# Altium PCB batteryPack.PcbDoc (part 1 of 2)
Units mm, origin at the board's own origin, x right, y up, seen from the top; angles counter-clockwise.
Board outline 117 x 50 mm, 4 copper layers (Top Layer, Mid-Layer 1, Mid-Layer 2, Bottom Layer); 146 components, 107 nets, 522 pads, 401 vias.
Unrouted connection lines stored in the file: 2.
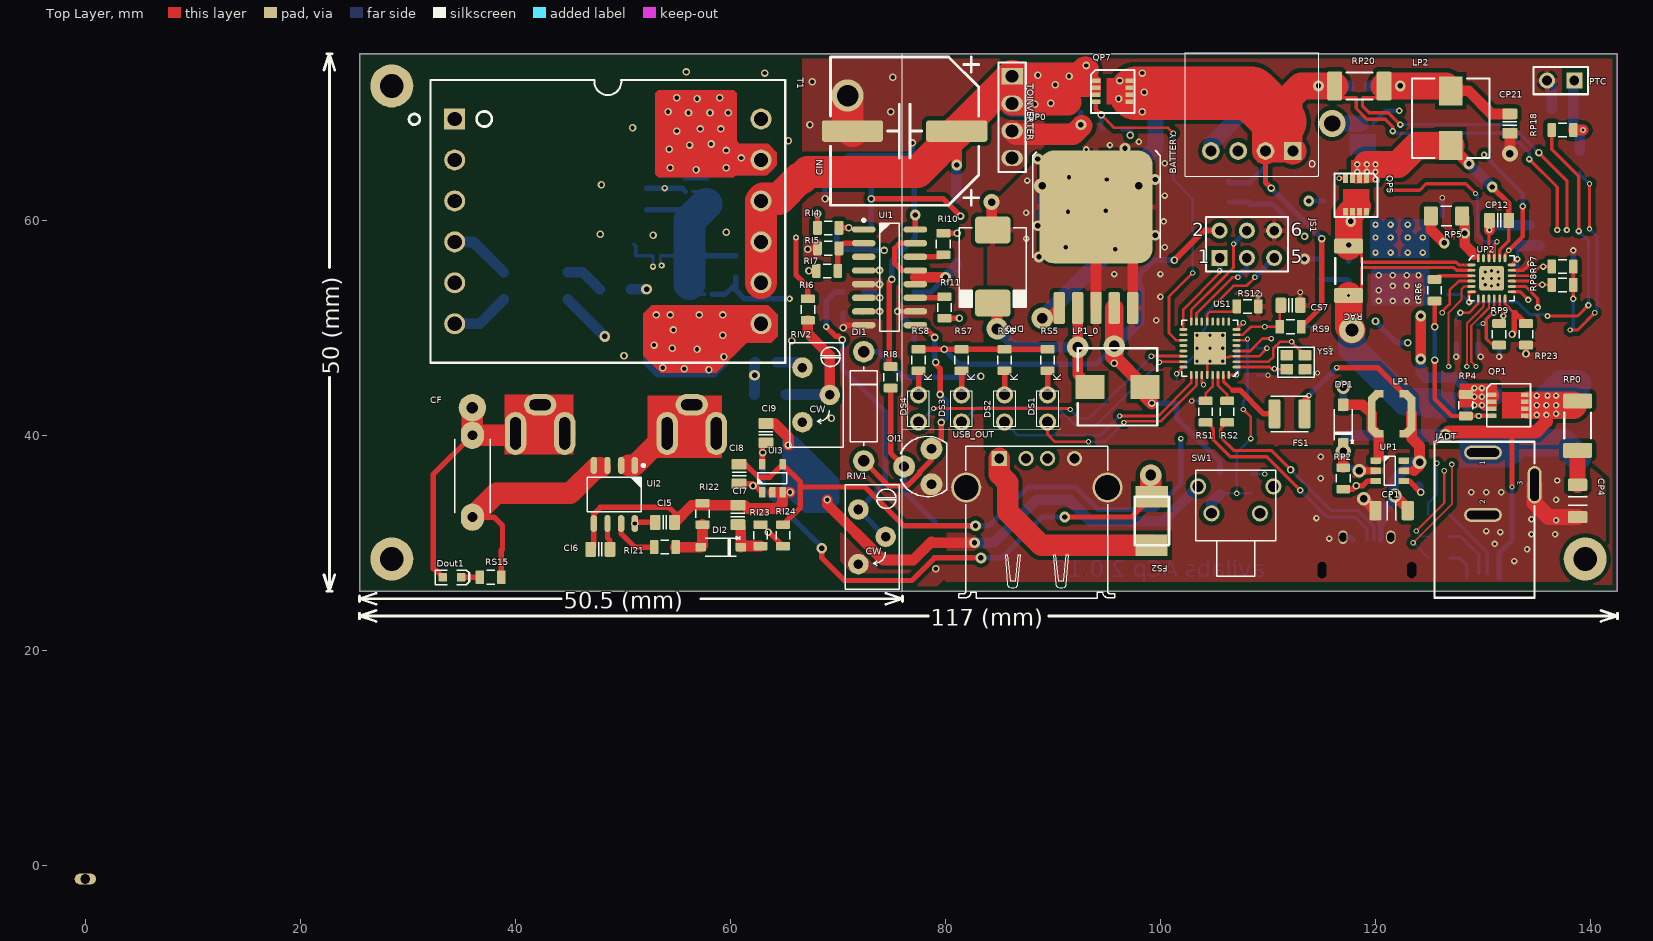
[diagram p0: Top Layer view]
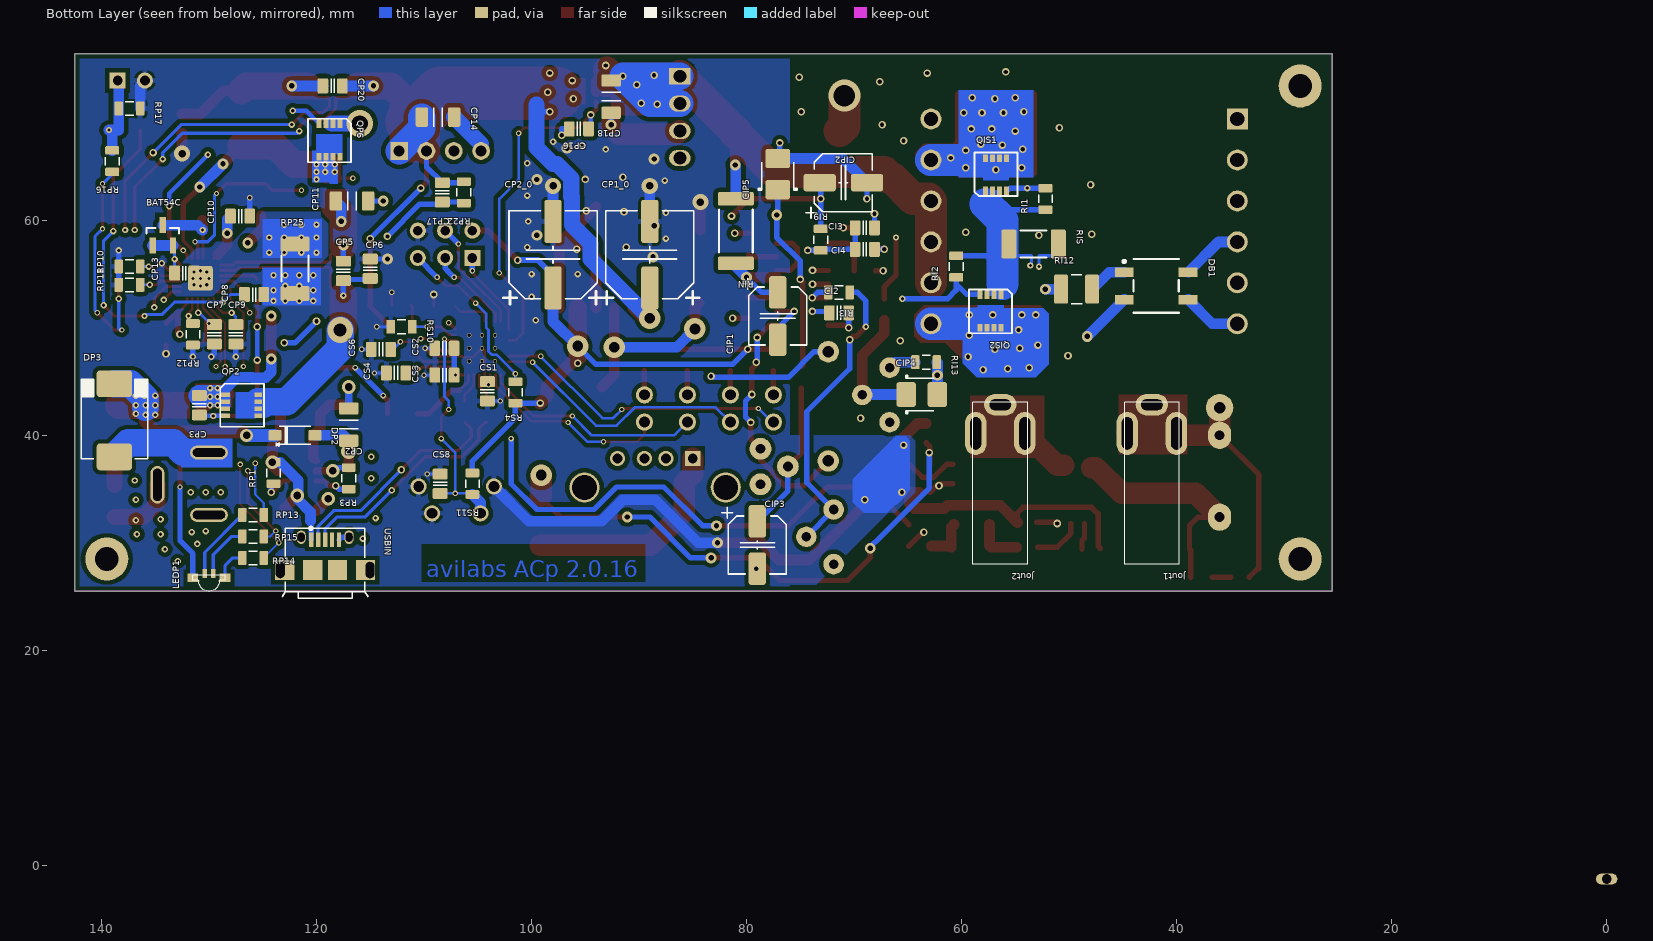
[diagram p1: Bottom Layer view, seen from below]
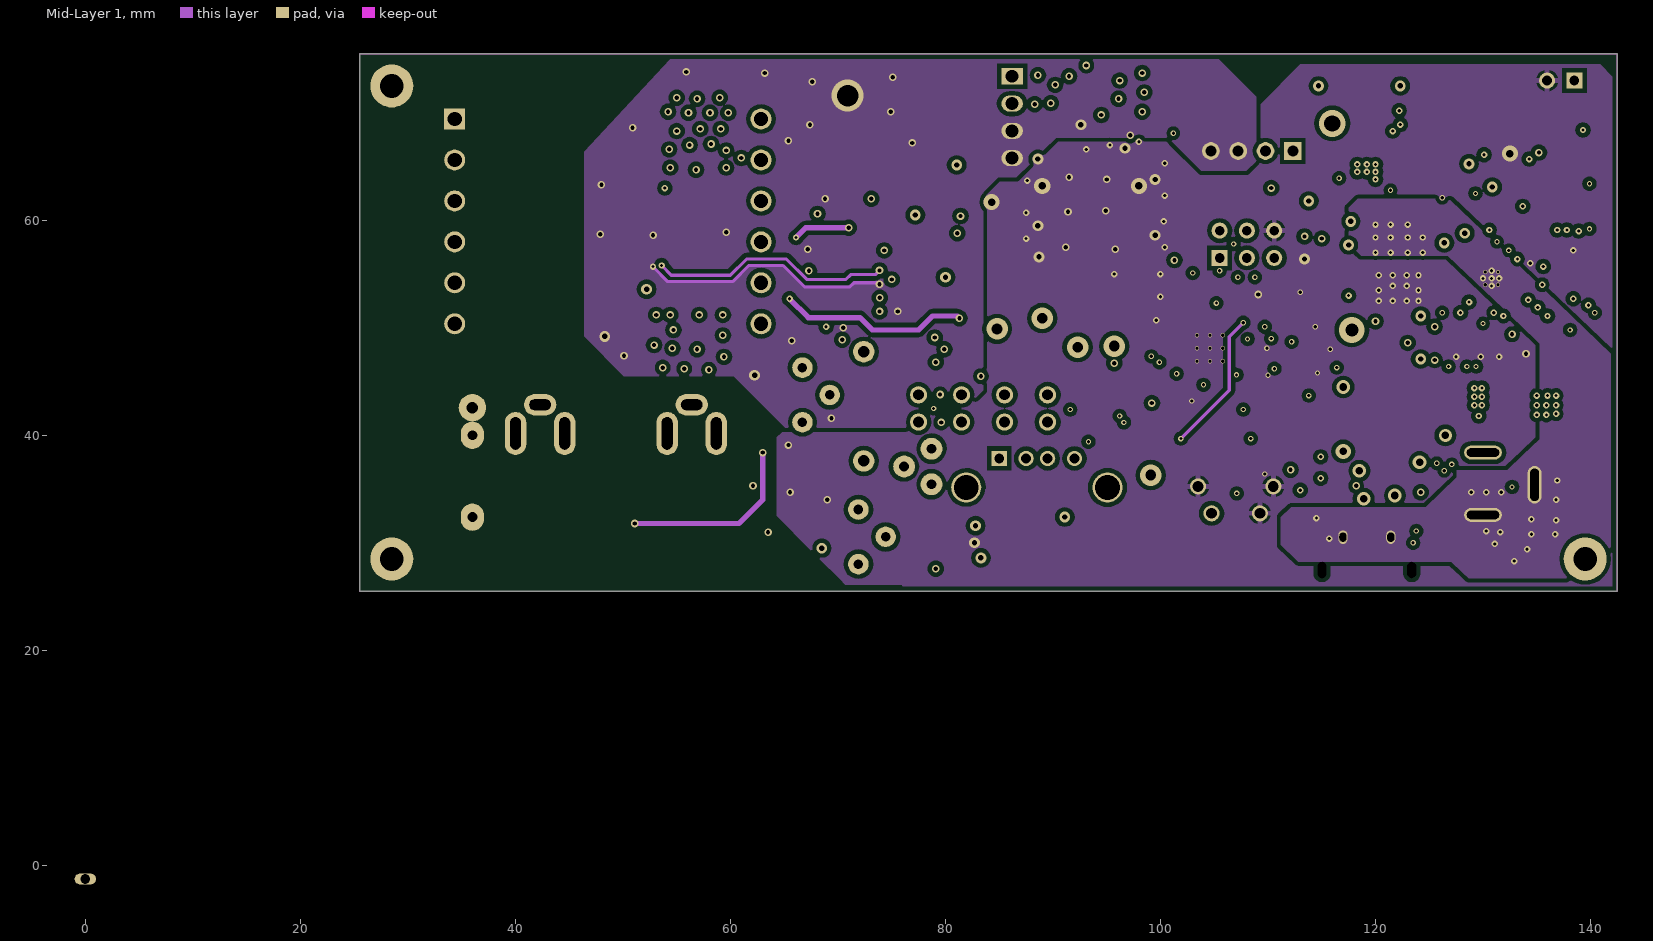
[diagram p2: Mid-Layer 1]
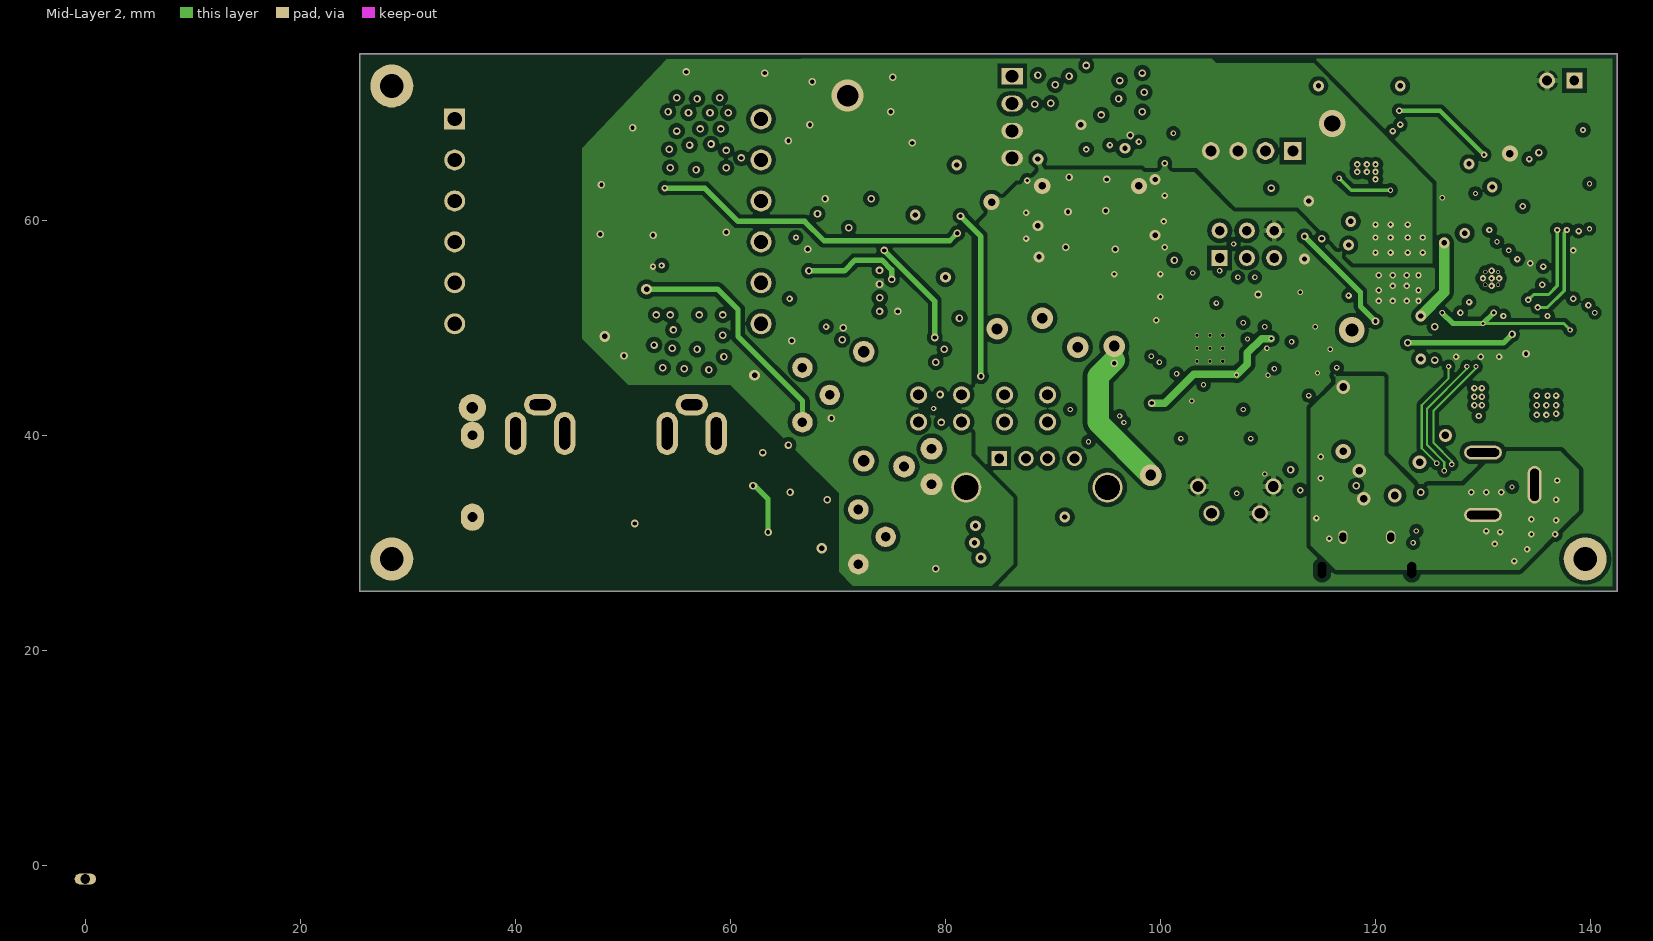
[diagram p3: Mid-Layer 2]
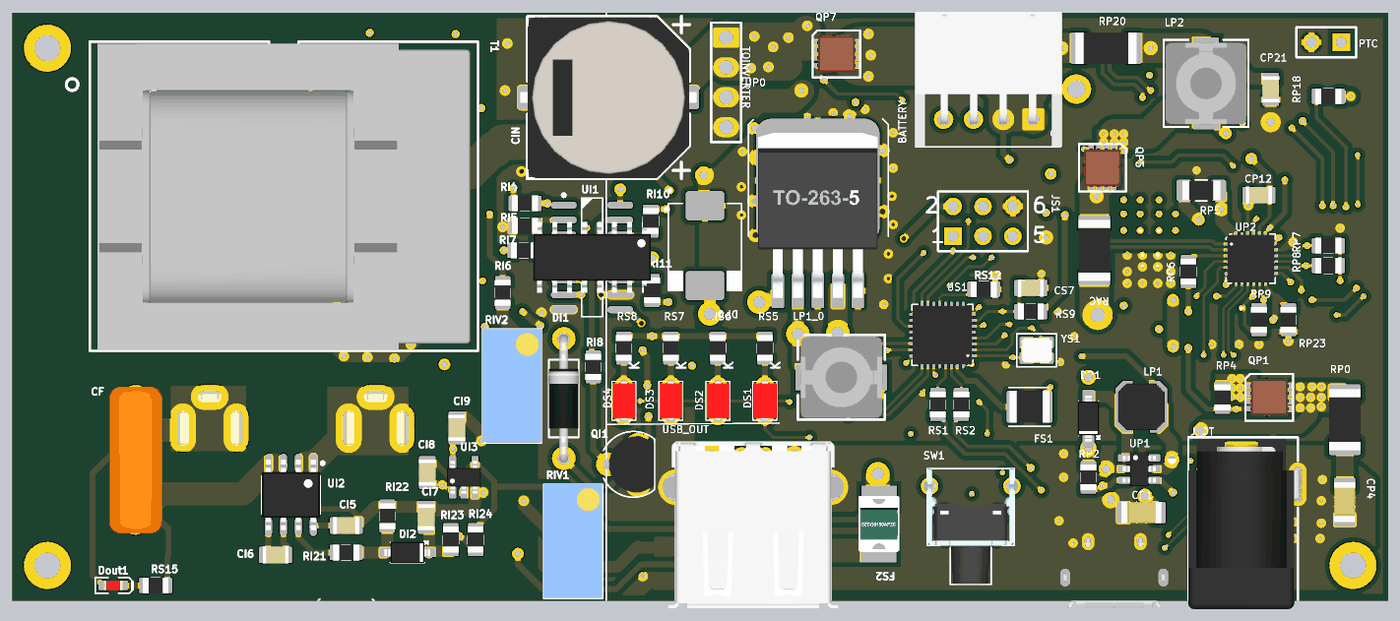
[diagram p5: 3D render of the assembled board from above, using the file's embedded part models]
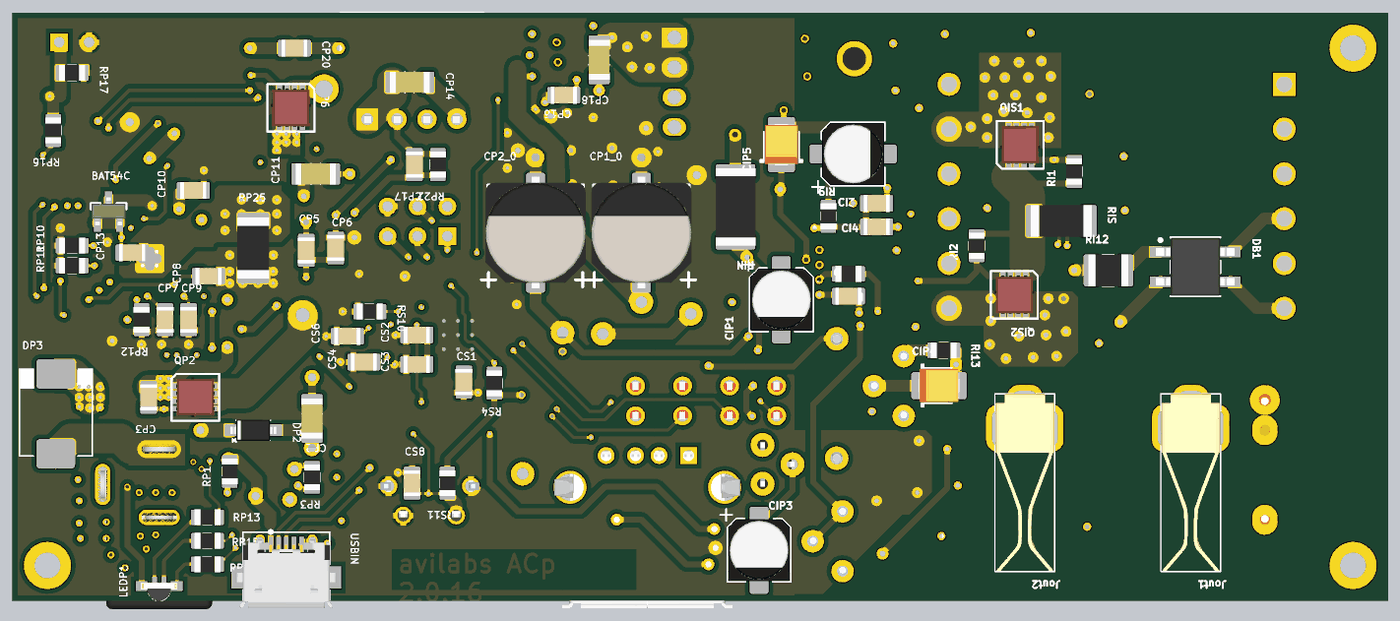
[diagram p6: 3D render of the assembled board from below, using the file's embedded part models]

## Layer stack, top to bottom
Top Solder: solder mask 0.0102, Solder Resist, Dk 3.5
Top Layer: signal copper 0.0356
Dielectric1: core 0.32, FR-4, Dk 4.8
Mid-Layer 1: signal copper 0.0356
Dielectric2: prepreg 0.32, FR-4, Dk 4.8
Mid-Layer 2: signal copper 0.0356
Dielectric3: core 0.32, FR-4, Dk 4.8
Bottom Layer: signal copper 0.0356
Bottom Solder: solder mask 0.0102, Solder Resist, Dk 3.5

## Board outline
25.5,25.5 25.5,75.5 142.5,75.5 142.5,25.5

## Design rules (kind name [scope] priority, off if disabled: settings)
Clearance Clearance_1 [InPoly] p1: gap=0.4
Clearance [All] p2: gap=0.2
Height [All] p1 off: minheight=0 maxheight=100 prefheight=12.7
HoleSize [All] p1: absolutevalues=TRUE maxlimit=10 minlimit=0.025 maxpercent=80.000 minpercent=20.000
HoleToHoleClearance [All] p1: gap=0 allowstackedmicrovias=TRUE
MinimumSolderMaskSliver [All] p1 off: minsoldermaskwidth=0.254
PolygonConnect PolygonConnect_2 [InNet('AGND')] p1: connectstyle=Direct reliefconductorwidth=0.254 reliefentries=4 polygonreliefangle="90 Angle" airgapwidth=0.254
PolygonConnect PolygonConnect_1 [isvia] p2: connectstyle=Direct reliefconductorwidth=0.254 reliefentries=4 polygonreliefangle="90 Angle" airgapwidth=0.254
PolygonConnect [All] p3: connectstyle=Relief reliefconductorwidth=0.5 reliefentries=4 polygonreliefangle="90 Angle" airgapwidth=0.254
RoutingVias [All] p1: holewidth=0.3 width=0.5 viastyle="Through Hole" minholewidth=0.3 minwidth=0.4 maxholewidth=5 maxwidth=10
SilkToSilkClearance [All] p1 off: silktosilkclearance=0.254
SilkToSolderMaskClearance SilkscreenOverComponentPads [IsPad] p1 off: minsilkscreentomaskgap=0.254 clearancetoexposedcopper=TRUE
SolderMaskExpansion [All] p1: expansion=0.102
Width [All] p1: maxlimit=10 minlimit=0.2 preferedwidth=0.254
24 further rules are at their usual default settings.

## Classes and differential pairs
component class BatteryPack: BAT54C BATTERY CP1 CP1_0 CP2 CP2_0 CP3 CP4 CP5 CP6 CP7 CP8 CP9 CP10 CP11 CP12 CP13 CP14 CP16 CP17 CP18 CP20 CP21 CS1 CS2 CS3 CS4 CS6 CS7 CS8 DP0 DP1 DP2 DP3 DS1 DS2 DS3 DS4 FS1 FS2 JADT JS1 LEDP1 LP1 LP1_0 LP2 PTC QP1 QP2 QP5 QP6 QP7 RAC RP0 RP1 RP2 RP3 RP4 RP5 RP6 RP7 RP8 RP9 RP10 RP11 RP12 RP13 RP14 RP15 RP16 RP17 RP18 RP20 RP22 RP23 RP25 RS1 RS2 RS4 RS5 RS6 RS7 RS8 RS9 RS10 RS11 RS12 SW1 TOINVERTER UP0 UP1 UP2 US1 USB_OUT USBIN YS1
component class Inverter: CF CI2 CI3 CI4 CI5 CI6 CI7 CI8 CI9 CIN CIP1 CIP2 CIP3 CIP4 CIP5 DB1 DI1 DI2 Dout1 Jout1 Jout2 QI1 QIS1 QIS2 RI1 RI2 RI3 RI4 RI5 RI6 RI7 RI8 RI9 RI10 RI11 RI12 RI13 RI21 RI22 RI23 RI24 RIN RIS RIV1 RIV2 RS15 T1 UI1 UI2 UI3

## Components (designator, comment, footprint, x,y, rotation, side; value= is the part's Value field where it differs from the comment)
BAT54C "" SOT-23 134.3,58.6 r90 bottom
BATTERY "Header 4" SXHA-4 114.7,64.1 r90 top
CF "Cap" CAPMF12.5x4.5x9.0x10mmLS 36,36.2 r90 top
CI2 "Cap" CAPC2012X135N#1 71.4,51.4 r180 bottom
CI3 "Cap" CAPC2012X135N#1 69,59.3 r180 bottom
CI4 "Cap" CAPC2012X135N#1 69,57.3 r180 bottom
CI5 "Cap" CAPC2012X135N#2 53.9,31.9 r180 top
CI6 "Cap" CAPC2012X135N#2 47.9,29.4 r0 top
CI7 "Cap" CAPC2012X135N#2 60.7,32.6 r270 top
CI8 "Cap" CAPC2012X135N#2 60.8,36.4 r270 top
CI9 "Cap" CAPC2012X135N#2 63.3,40.2 r90 top
CIN "Cap Pol1" CAP_ELEC_SIZE_H13 76.2,68.3 r90 top
CIP1 "Cap Pol1" CAP_ELEC_5x5.7 77.1,51.1 r90 bottom
CIP2 "Cap Pol1" CAP_ELEC_5x5.7 71,63.5 r0 bottom
CIP3 "Cap Pol1" CAP_ELEC_5x5.7 79,29.8 r90 bottom
CIP4 "Cap Pol1" CAPMP3528X210N 63.7,43.8 r180 bottom
CIP5 "Cap Pol1" CAPMP3528X210N 77.1,64.3 r90 bottom
CP1 "Cap" CAPC3216X175N#1 121.5,33 r180 top
CP1_0 "" CAP_ELEC_SIZE_E 89,56.8 r180 bottom
CP2 "Cap" CAPC3216X175N#1 117,41 r90 bottom
CP2_0 "" CAP_ELEC_SIZE_E 98,56.8 r180 bottom
CP3 "Cap" CAPC2012X135N#1 130.9,42.8 r270 bottom
CP4 "Cap" CAPC3216X100N 138.8,33.9 r270 top
CP5 "Cap" CAPC2012X135N#1 117.5,55.3 r90 bottom
CP6 "Cap" CAPC2012X135N#1 115,55.5 r270 bottom
CP7 "Cap" CAPC2012X135N#2 129.5,49.4 r90 bottom
CP8 "Cap" CAPC2012X135N#2 125.8,53.1 r0 bottom
CP9 "Cap" CAPC2012X135N#2 127.5,49.4 r90 bottom
CP10 "Cap" CAPC2012X135N#1 127.1,60.4 r0 bottom
CP11 "Cap" CAPC3216X175N#2 116.7,61.8 r0 bottom
CP12 "Cap" CAPC2012X135N#2 131.5,60 r180 top
CP13 "Cap" CAPC2012X135N#2 132.3,55.1 r0 bottom
CP14 "Cap" CAPC3216X175N#2 108.7,69.6 r180 bottom
CP16 "Cap" CAPC2012X135N#2 95.6,68.5 r0 bottom
CP17 "Cap" CAPC2012X135N#1 108.3,62.6 r270 bottom
CP18 "Cap" CAPC3216X175N#1 92.6,71.5 r270 bottom
CP20 "Cap" CAPC2012X135N#1 118.5,72.5 r180 bottom
CP21 "Cap" CAPC2012X135N#2 132.5,69 r90 top
CS1 "1uF" CAPC2012X135N#2 104.1,44.1 r270 bottom
CS2 "0.1uF" CAPC2012X135N#2 108.1,48.1 r0 bottom
CS3 "0.1uF" CAPC2012X135N#2 108.1,45.6 r0 bottom
CS4 "18pF" CAPC2012X135N#2 112.6,45.8 r0 bottom
CS6 "18pF" CAPC2012X135N#2 114,48 r0 bottom
CS7 "0.1uF" CAPC2012X135N#2 112.1,52.1 r0 top
CS8 "1uF" CAPC2012X135N#2 108.5,35.5 r90 bottom
DB1 "MB16S-TP" SOT255P670X250-4N 41.9,53.9 r180 bottom
DI1 "1N4007" DO-41 72.4,42.7 r0 top
DI2 "1N4448" SOD123#1 59.1,29.6 r180 top
Dout1 "LTST-C190GKT" LED-0603-RED 34.1,26.8 r0 top
DP0 "B340-13-F" DO-214AB 84.4,55.7 r270 top
DP1 "MBR0520" SOD123#2 117,41 r90 top
DP2 "MBR0520" SOD123#2 122,40 r180 bottom
DP3 "B340-13-F" DO-214AB 138.8,41.4 r90 bottom
DS1 "LTST-C190GKT" "Type 3mm" 89.5,42.5 r90 top
DS2 "LTST-C190GKT" "Type 3mm" 85.5,42.5 r90 top
DS3 "LTST-C190GKT" "Type 3mm" 81.5,42.5 r90 top
DS4 "LTST-C190GKT" "Type 3mm" 77.5,42.5 r90 top
FS1 "PTCSMD" INDC3225X250N 112,42 r180 top
FS2 "PTCSMD" 0ZCG0010 97.6,34.3 r270 top
JADT "WE-DC Power Jack 694108301002" 694108301002 130,35.5 r90 top
Jout1 "Socket" AC_SOCKET 42.3,43.1 r270 bottom locked
Jout2 "Socket" AC_SOCKET 56.4,43.1 r270 bottom locked
JS1 "AVR_SPI_PRG_6PTH" HDR2X3 105.5,56.5 r0 top
LEDP1 "150141M173100" APFA3010SEEZGQBDC 130,27 r0 bottom
LP1 "4.7 µH" IND_COILCRAFT_LPS4018 121.5,42 r180 top
LP1_0 "6.8uH" "WE-HCI 7030" 96,44.5 r0 top
LP2 "6.8 µH" "WE-HCI 7030" 127,69.5 r90 top
PTC "Thermistor(103AT)" HDR1X2 138.5,73 r180 top
QI1 "BC327" TO-92 78.7,37.1 r180 top
QIS1 "CSD17308Q3" TRANS_NexFET_Q3 56.8,64.3 r90 bottom
QIS2 "CSD17308Q3" TRANS_NexFET_Q3 57.3,51.5 r270 bottom
QP1 "si7617dn" TRANS_NexFET_Q3 132.4,42.8 r0 top
QP2 "si7617dn" TRANS_NexFET_Q3 126.9,42.8 r180 bottom
QP5 "SiS412DN" TRANS_NexFET_Q3 118.2,62.3 r270 top
QP6 "SiS412DN" TRANS_NexFET_Q3 118.8,67.4 r270 bottom
QP7 "CSD17308Q3" TRANS_NexFET_Q3 95.6,72 r0 top
RAC "Res Semi" RESC5025X70N#1 117.5,55.3 r270 top
RI1 "Res Semi" RESC2012X70N#1 52.2,62 r90 bottom
RI2 "Res Semi" RESC2012X70N#1 60.5,55.7 r90 bottom
RI3 "Res Semi" RESC2012X70N#1 71.4,53.3 r0 bottom
RI4 "Res Semi" RESC2012X70N#1 69.1,59.3 r180 top
RI5 "Res Semi" RESC2012X70N#1 69.1,57.4 r180 top
RI6 "Res Semi" RESC2012X70N#1 67.2,51.7 r270 top
RI7 "Res Semi" RESC2012X70N#1 69,55.3 r0 top
RI8 "Res Semi" RESC2012X70N#1 74.9,45.4 r90 top
RI9 "Res Semi" RESC2012X70N#1 73.1,58.2 r270 bottom
RI10 "Res Semi" RESC2012X70N#1 79.8,57.8 r90 top
RI11 "Res Semi" RESC2012X70N#1 79.9,51.9 r270 top
RI12 "Res Semi" RESC3225X70N 49.3,53.6 r180 bottom
RI13 "Res Semi" RESC2012X70N#1 63.3,46.8 r180 bottom
RI21 "Res Semi" RESC2012X70N#2 53.9,29.6 r180 top
RI22 "Res Semi" RESC2012X70N#2 57.4,32.7 r270 top
RI23 "Res Semi" RESC2012X70N#2 62.8,30.7 r270 top
RI24 "Res Semi" RESC2012X70N#2 64.9,30.7 r270 top
RIN "Res Semi" RESC6332X70N 81,59 r270 bottom
RIS "Res Semi" RESC5025X70N#2 53.3,57.8 r180 bottom
RIV1 "RPot" "TrimPot_THT_2.54mm pitch" 71.9,33.1 r0 top
RIV2 "RPot" "TrimPot_THT_2.54mm pitch" 66.7,46.3 r0 top
RP0 "Res Semi" RESC5025X70N#1 138.8,40.9 r90 top
RP1 "Res Semi" RESC2012X70N#2 124,36.5 r90 bottom
RP2 "Res Semi" RESC2012X70N#2 117,36 r90 top
RP3 "Res Semi" RESC2012X70N#2 117,36 r270 bottom
RP4 "Res Semi" RESC2012X70N#2 128.4,42.8 r90 top
RP5 "Res Semi" RESC3216X70N 126.6,60.4 r180 top
RP6 "Res Semi" RESC2012X70N#2 125.5,53.5 r270 top
RP7 "Res Semi" RESC2012X70N#2 137.4,55.7 r180 top
RP8 "Res Semi" RESC2012X70N#2 137.4,54 r180 top
RP9 "Res Semi" RESC2012X70N#2 131.5,49.4 r90 top
RP10 "Res Semi" RESC2012X70N#2 137.4,55.7 r0 bottom
RP11 "Res Semi" RESC2012X70N#2 137.4,54 r0 bottom
RP12 "Res Semi" RESC2012X70N#2 131.5,49.4 r270 bottom
RP13 "Res Semi" RESC2012X70N#1 125.9,32.6 r180 bottom
RP14 "Res Semi" RESC2012X70N#1 125.9,28.6 r180 bottom
RP15 "Res Semi" RESC2012X70N#1 125.9,30.6 r180 bottom
RP16 "Res Semi" RESC2012X70N#2 139,65.5 r270 bottom
RP17 "Res Semi" RESC2012X70N#2 137.4,70.4 r180 bottom
RP18 "Res Semi" RESC2012X70N#2 137.4,68.4 r180 top
RP20 "Res Semi" RESC5025X70N#1 118.5,72.5 r0 top
RP22 "Res Semi" RESC2012X70N#1 106.3,62.6 r270 bottom
RP23 "Res Semi" RESC2012X70N#2 134,49.4 r270 top
RP25 "Res Semi" RESC5025X70N#2 122,55.5 r90 bottom
RS1 "22" RESC2012X70N#2 104.2,42.2 r90 top
RS2 "22" RESC2012X70N#2 106.2,42.2 r90 top
RS4 "10k" RESC2012X70N#2 101.5,44 r270 bottom
RS5 "CRCW06031K00JNEA" RESC2012X70N#2 89.5,47 r90 top
RS6 "CRCW06031K00JNEA" RESC2012X70N#2 85.5,47 r90 top
RS7 "CRCW06031K00JNEA" RESC2012X70N#2 81.5,47 r90 top
RS8 "CRCW06031K00JNEA" RESC2012X70N#2 77.5,47 r90 top
RS9 "CRCW06031K00JNEA" RESC2012X70N#2 112.1,50.1 r0 top
RS10 "CRCW06031K00JNEA" RESC2012X70N#2 112.1,50.1 r180 bottom
RS11 "CRCW06031K00JNEA" RESC2012X70N#2 105.5,35.5 r270 bottom
RS12 "CRCW06031K00JNEA" RESC2012X70N#2 108.1,52 r180 top
RS15 "CRCW06031K00JNEA" RESC2012X70N#1 37.7,26.8 r180 top
SW1 "WE-Tact Switches WS-TATU 431256058716" 431256058716 107,34 r0 top
T1 "7508116314" EFD25_6008 48.6,59.9 r0 top locked